# Allegro board F103_CH4_V10A.brd
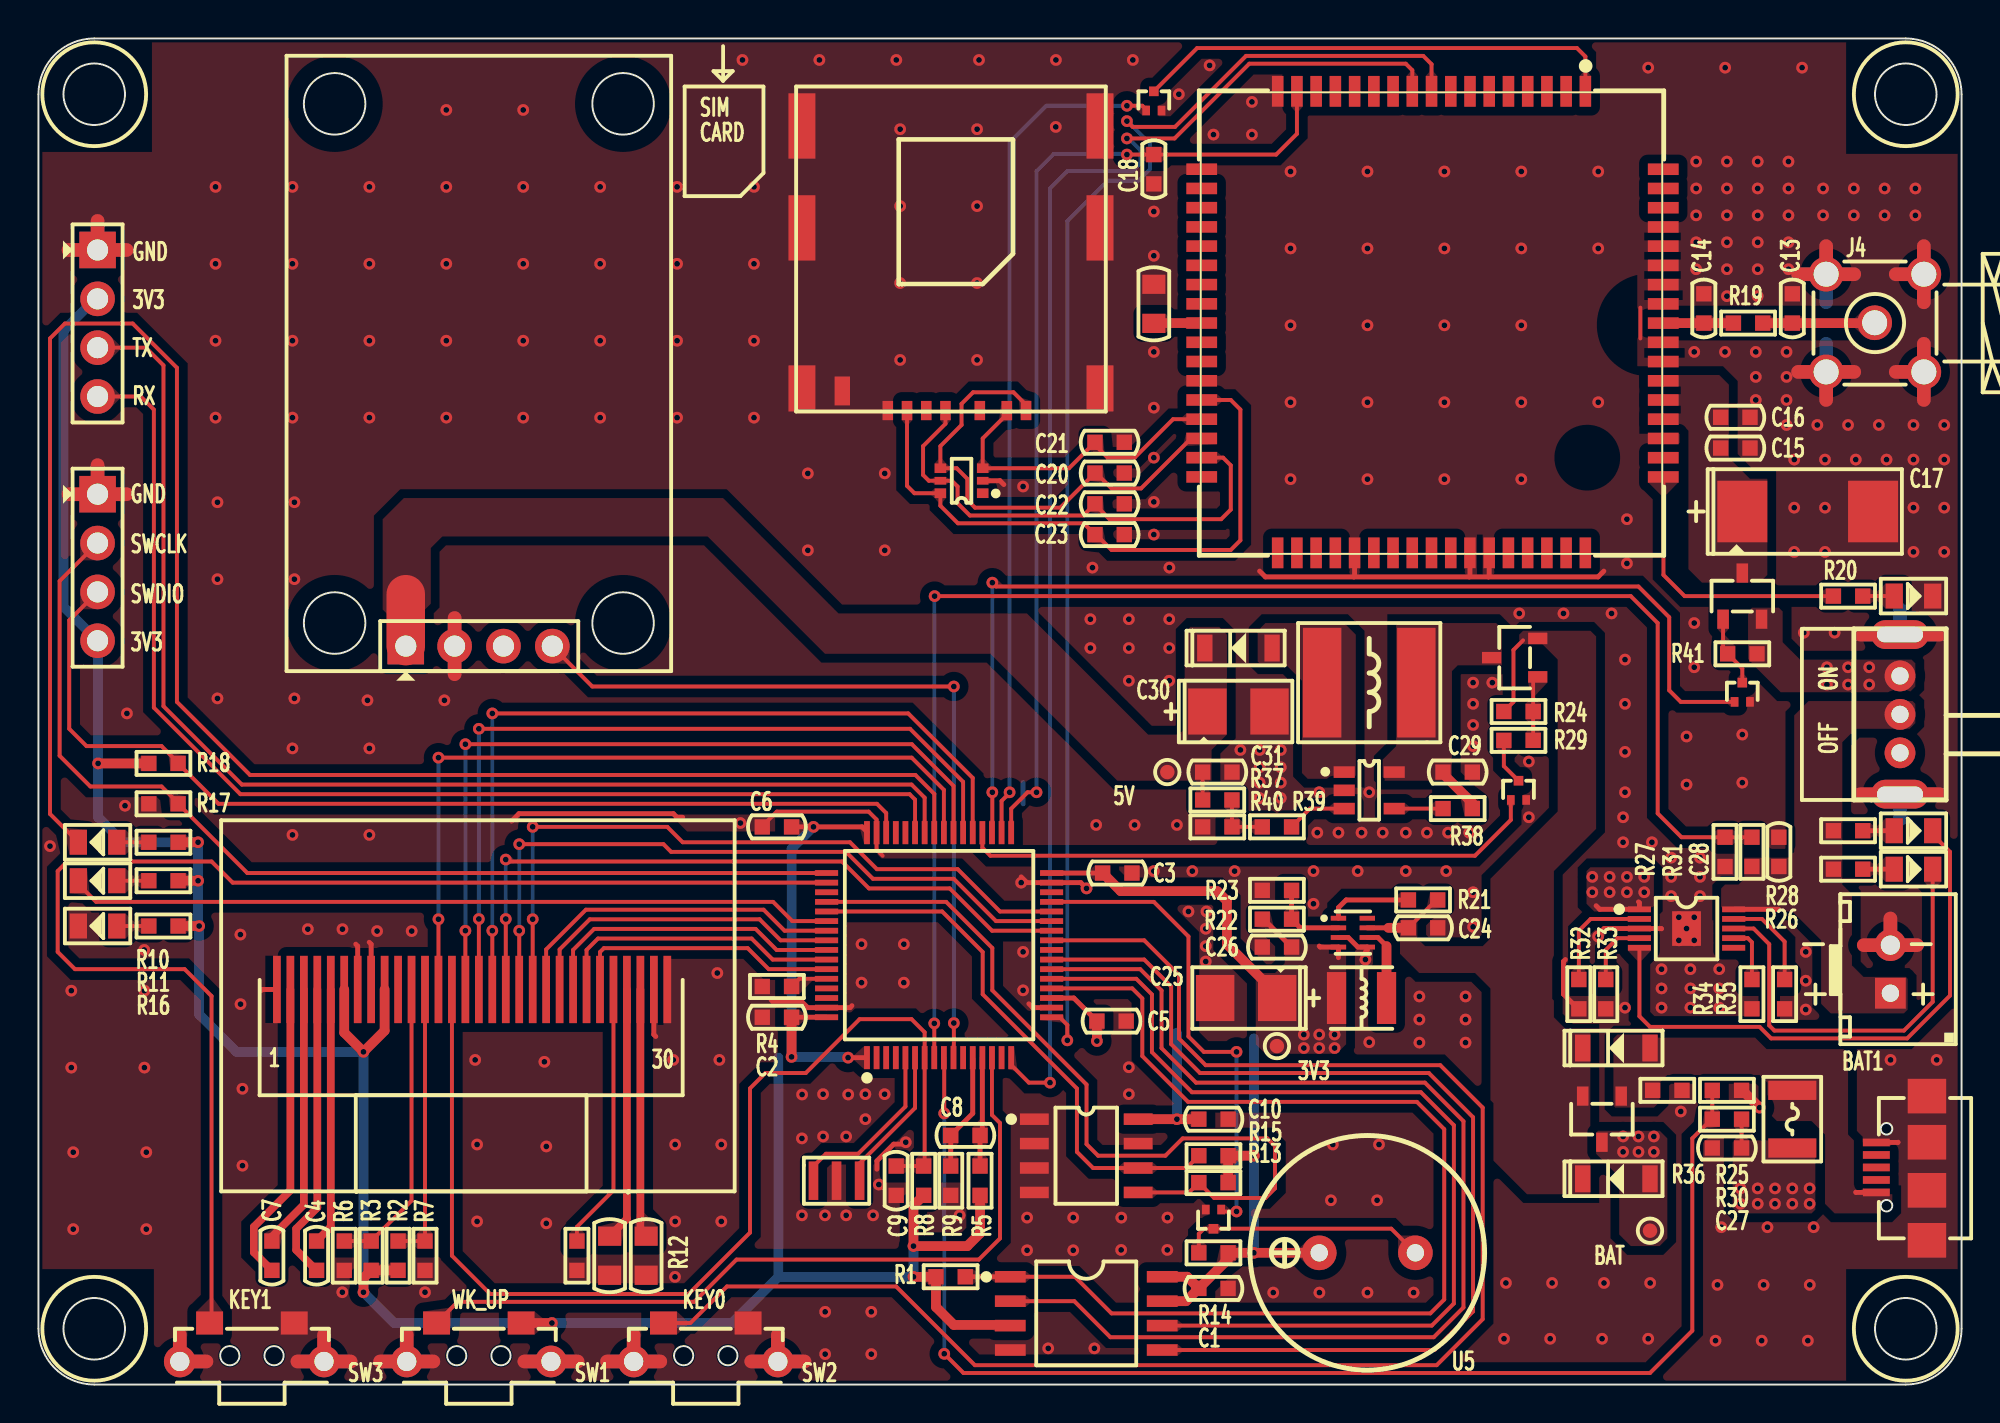
[diagram p0: board, top side]
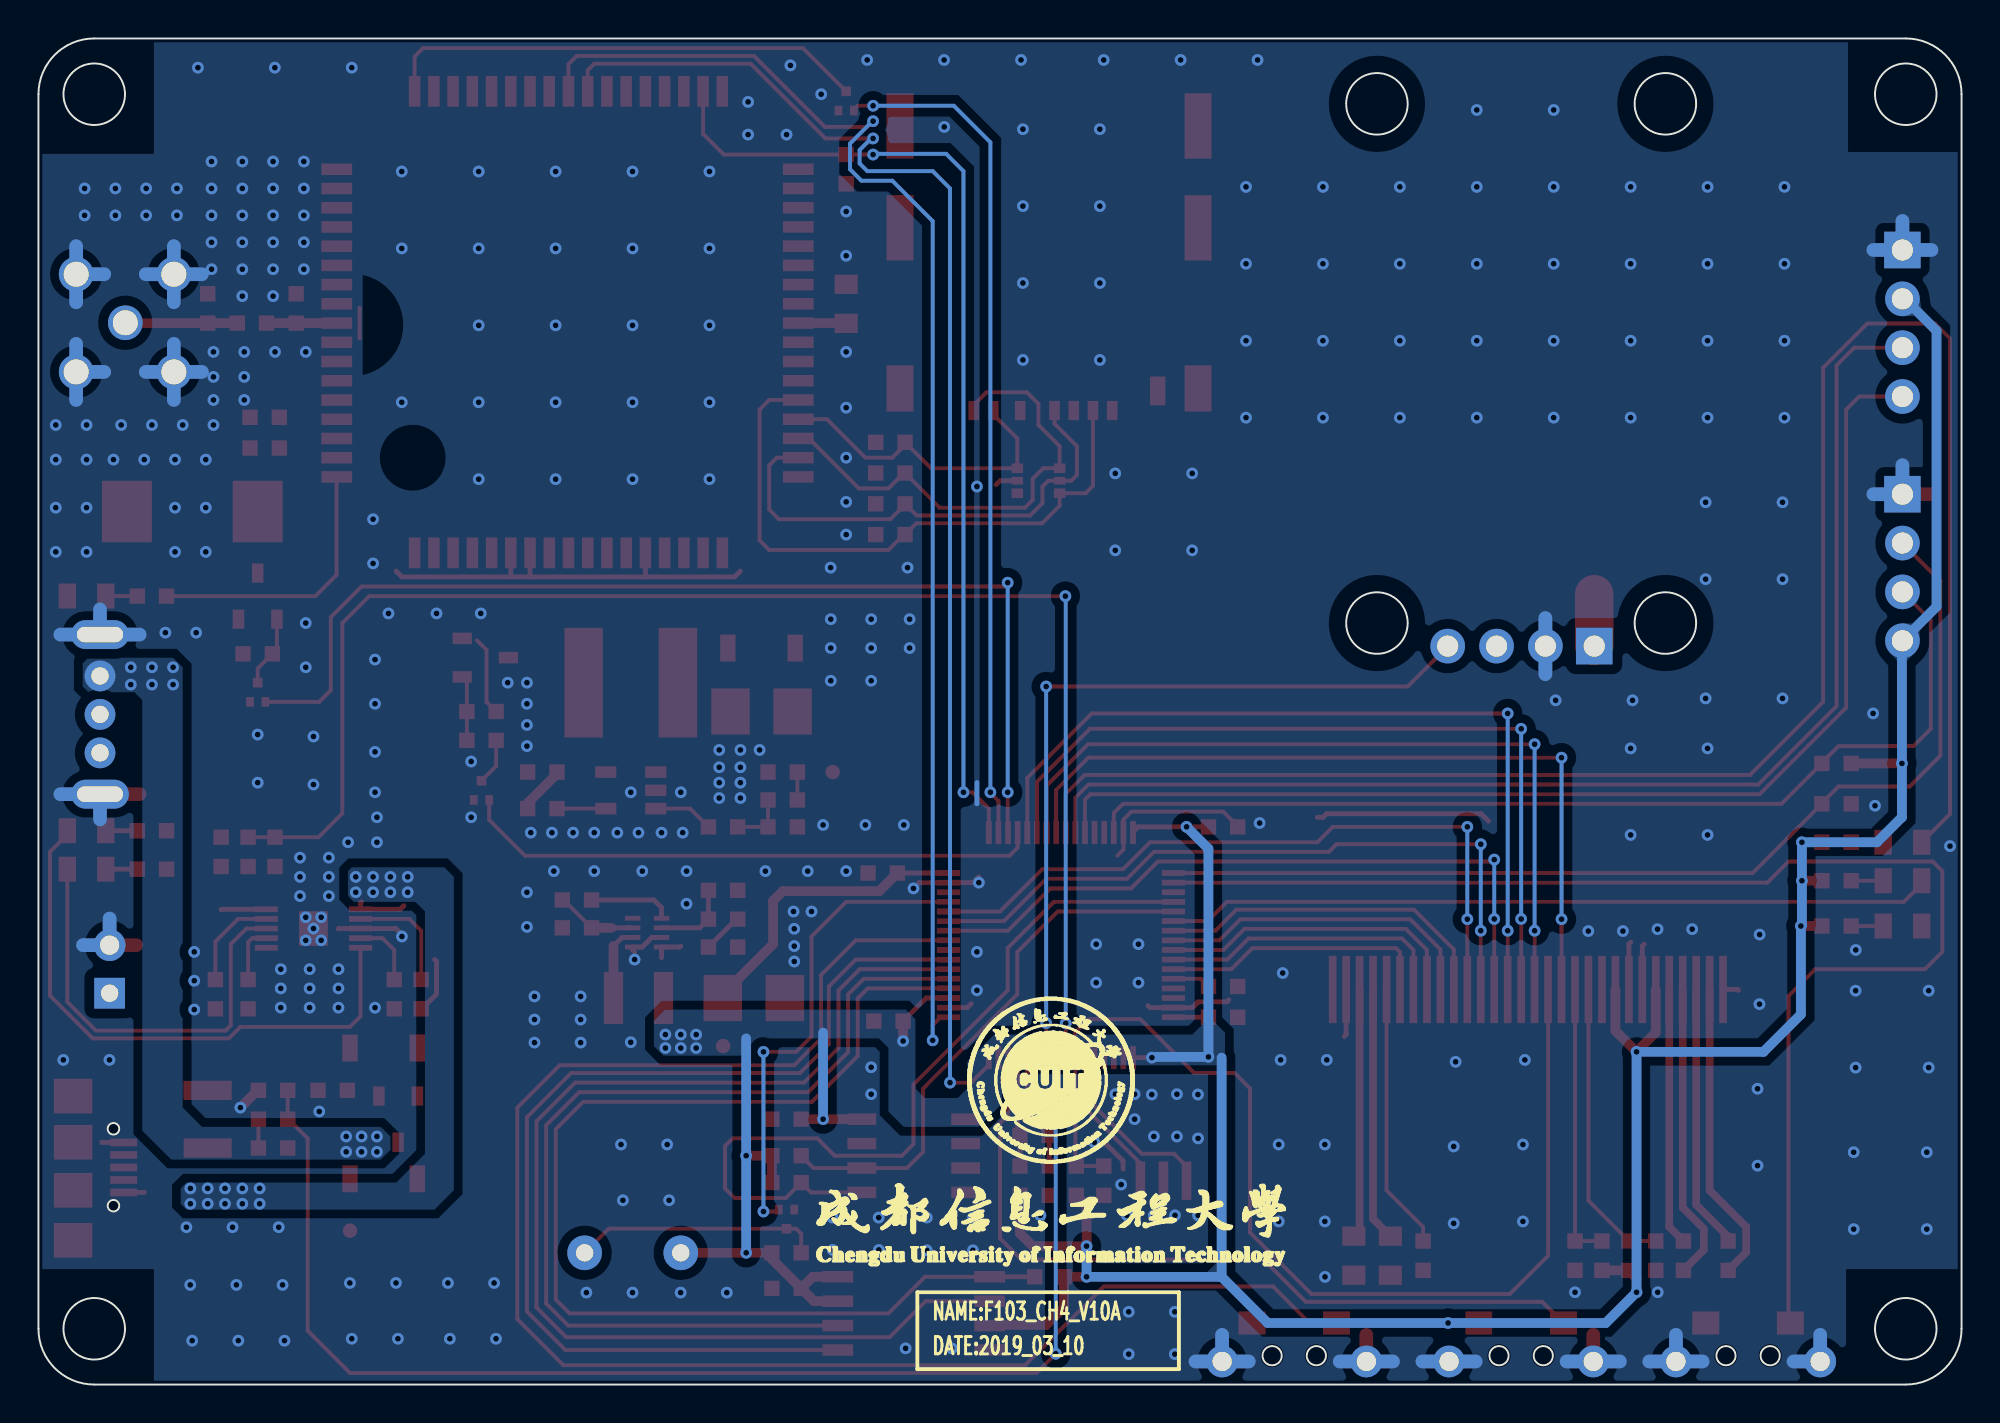
[diagram p1: board, bottom side, seen from below]

Outline 100 x 70 mm; copper layers: TOP, BOTTOM. Coordinates in mm from the lower left corner of the outline.
Outline path: circle c2.9,67.1 r1.6 ; circle c2.9,2.9 r1.6 ; circle c97.1,67.1 r1.6 ; circle c97.1,2.9 r1.6 ; 0,67.1 0,2.9 arc(0.85,0.85) 2.9,0 97.1,0 arc(99.15,0.85) 100,2.9 100,67.1 arc(99.15,69.15) 97.1,70 2.9,70 arc(0.85,69.15) 0,67.1

## Design rules (mm)
constraint set DEFAULT: min track width 0.203, pair gap 0.203

## Placement (name value [footprint] x y rotation side)
BAT1  BATTERY  [XHB-2A]  96.3 21.6 90 top
C1  0.1uF_50V  [C0603]  61.1 5 0 top
C2  0.1uF_50V  [C0603]  38.4 19.1 0 top
C3  0.1uF_50V  [C0603]  56.1 26.6 180 top
C4  1uF_25V  [C0603]  14.46 6.7 90 top
C5  0.1uF_50V  [C0603]  55.8 18.9 180 top
C6  0.1uF_50V  [C0603]  38.4 29 0 top
C7  1uF_25V  [C0603]  12.14 6.7 270 top
C8  0.1uF_50V  [C0603]  48.2 12.96 0 top
C9  0.1uF_50V  [C0603]  44.6 10.6 270 top
C10  0.1uF_50V  [C0603]  61.1 13.8 180 top
C11  10uF_25V  [C0805]  29.7 6.7 270 top
C12  10uF_25V  [C0805]  31.6 6.7 270 top
C13  22pF_50V/NI  [C0603]  91.2 55.96 270 top
C14  22pF_50V/NI  [C0603]  86.6 55.96 270 top
C15  30pF_50V  [C0603]  88.24 48.7 180 top
C16  0.1uF_50V  [C0603]  88.24 50.3 180 top
C17  220uF_10V  [C7343E]  92 45.4 180 top
C18  0.1uF_50V  [C0603]  58 63.2 90 top
C19  10uF_25V  [C0805]  58 56.2 90 top
C20  30pF_50V  [C0603]  55.7 47.4 0 top
C21  30pF_50V  [C0603]  55.7 49 0 top
C22  30pF_50V  [C0603]  55.7 45.8 0 top
C23  0.1uF_50V  [C0603]  55.7 44.2 180 top
C24  10uF_10V  [C0603]  72 23.75 0 top
C25  47uF_10V  [C3528B]  62.8 20.1 0 top
C26  0.1uF_50V  [C0603]  64.4 22.75 180 top
C27  10uF_10V  [C0603]  87.8 12.3 180 top
C28  10uF_10V  [C0603]  90.5 27.7 90 top
C29  10uF_10V  [C0603]  73.8 31.85 0 top
C30  47uF_10V  [C3528B]  62.4 35 180 top
C31  0.1uF_50V  [C0603]  61.3 31.85 0 top
CON1  5039600696  [SIM_PUSH]  39.4 50.6 0 top
D1  LED_GREEN  [LED0805]  3.07 28.2 180 top
D2  LED_GREEN  [LED0805]  3.07 26.2 180 top
D3  LED_GREEN  [LED0805]  3.07 23.84 180 top
D4  LED_GREEN  [LED0805]  97.5 41 0 top
D5  LED_RED  [LED0805]  97.5 26.8 0 top
D6  LED_GREEN  [LED0805]  97.5 28.8 0 top
D7  LMBR130FT1G  [SOD123]  82.05 10.7 0 top
D8  LMBR130FT1G  [SOD123]  82.05 17.5 0 top
D9  LMBR130FT1G  [SOD123]  62.4 38.3 0 top
F1  SMD1210-200  [FUSE1210]  91.2 13.8 270 top
J2  -  [HEADER4X1-2R54-M]  3.07 46.3 270 top
J3  -  [HEADER4X1-2R54-M]  3.07 59 270 top
J4  SMA-50R  [SMA-50R-DIP]  95.5 55.2 0 top
L1  SWPA3015S2R2NT  [L3015]  68.8 20.1 180 top
L2  SWPA6028S100MT  [L6028]  69.2 36.5 180 top
NOREF  -  []  98.12 68.33 0 top
NOREF#2  -  []  0 0 90 top
NOREF#3  -  []  0 0 90 top
NOREF#4  -  []  0 0 0 top
NOREF#5  -  []  -0.21 0 0 top
NOREF#6  -  []  0 0 0 top
NOREF#7  -  []  0 0 90 top
NOREF#8  -  []  0 0 0 top
Q1  DTC043ZMT2L  [SOT723]  61.1 8.6 180 top
Q2  DTC043ZMT2L  [SOT723]  58 66.75 0 top
Q3  AO3401A  [SOT23-3]  76.76 37.8 90 top
Q4  DTC043ZMT2L  [SOT723]  76.96 30.9 0 top
Q5  AO3401A  [SOT23-3]  81.3 13.8 180 top
Q6  AO3401A  [SOT23-3]  88.6 41 0 top
Q7  DTC043ZMT2L  [SOT723]  88.6 36 0 top
R1  10K  [R0603]  47.43 5.61 0 top
R2  10K  [R0603]  18.7 6.7 270 top
R3  10K  [R0603]  17.3 6.7 270 top
R4  10K  [R0603]  38.4 20.7 180 top
R5  0R  [R0603]  48.96 10.6 270 top
R6  10K/NI  [R0603]  15.9 6.7 90 top
R7  10K/NI  [R0603]  20.1 6.7 90 top
R8  10K  [R0603]  46.03 10.6 90 top
R9  0R  [R0603]  47.44 10.6 270 top
R10  4.7K  [R0603]  6.5 28.2 180 top
R11  4.7K  [R0603]  6.5 26.2 180 top
R12  760K  [R0603]  28 6.7 90 top
R13  4.7K  [R0603]  61.1 10.5 0 top
R14  1K  [R0603]  61.1 6.85 180 top
R15  4.7K  [R0603]  61.1 11.9 0 top
R16  4.7K  [R0603]  6.5 23.84 180 top
R17  4.7K  [R0603]  6.5 30.2 0 top
R18  4.7K  [R0603]  6.5 32.3 0 top
R19  0R  [R0603]  88.9 55.2 180 top
R20  10K  [R0603]  94.1 41 0 top
R21  10K  [R0603]  72 25.2 180 top
R22  200K  [R0603]  64.4 24.2 0 top
R23  44.2K  [R0603]  64.4 25.7 180 top
R24  47K  [R0603]  76.96 35 0 top
R25  200K  [R0603]  87.8 15.3 180 top
R26  10K  [R0603]  94.1 26.8 180 top
R27  200K  [R0603]  87.7 27.7 90 top
R28  10K  [R0603]  94.1 28.8 180 top
R29  47K  [R0603]  76.96 33.5 180 top
R30  200K  [R0603]  87.8 13.8 0 top
R31  200K  [R0603]  89.1 27.7 270 top
R32  1.8K  [R0603]  80.1 20.3 270 top
R33  2K  [R0603]  81.5 20.3 270 top
R34  10K  [R0603]  89.1 20.3 270 top
R35  10K  [R0603]  90.8 20.3 270 top
R36  100K  [R0603]  84.7 15.3 0 top
R37  35.4K  [R0603]  61.3 30.4 0 top
R38  10K  [R0603]  73.8 29.95 180 top
R39  100K  [R0603]  64.4 29 180 top
R40  11.8K  [R0603]  61.3 29 180 top
R41  47K  [R0603]  88.6 38 180 top
SW1  K2-1112SW-A4SW-04/NI  [K2-1112SW-A4SW-04]  22.9 1.5 180 top
SW2  K2-1112SW-A4SW-04/NI  [K2-1112SW-A4SW-04]  34.7 1.5 180 top
SW3  K2-1112SW-A4SW-04/NI  [K2-1112SW-A4SW-04]  11.1 1.5 180 top
SW4  -  [SWITCH_3P]  96.8 30.7 90 top
TP1  TestPoint  [TP-0R75]  64.4 17.6 0 top
TP2  TestPoint  [TP-0R75]  83.8 8 0 top
TP3  TestPoint  [TP-0R75]  58.7 31.85 0 top
U1  STM32F103RCT6  [LQFP64-10X10X0R5]  46.83 22.85 0 top
U2  -  [OLED_0R96]  22.9 19.74 0 top
U3  W25Q64JVSSIQ  [SOIC8_208]  54.48 3.7 270 top
U4  AT24C512C-SSHM-T  [SOIC8]  54.48 11.9 270 top
U5  -  [PS1240P02BT]  69.1 6.85 0 top
U6  -  [SIM800A]  72.44 55.2 270 top
U7  SMF05C  [SOT363]  48 47 90 top
U8  MP2162GQH-Z  [QFN8-2X1R5X0R5]  68.35 23.5 0 top
U9  BQ24090DGQR  [MSOP10-1R80X1R50]  85.7 23.71 270 top
U10  MP1540DJ-LF-Z  [SOT23-5]  69.2 30.9 270 top
U11  -  [MQ-4-MODULE]  19.1 38.4 0 top
USB1  -  [USB-MICRO]  95.5 11.3 90 top
X1  CSTCE8M00G15C99-R0  [X-3P-3R2X1R3-SMD]  41.5 10.6 0 top

## Library data of the parts
BAT1 = BATTERY
C1-C8 C11-C16 C18 C20-C24 C27-C29 = CAP NP_2
C9 C26 C31 = CAP NP
C10 = CAP NP_3
C17 C25 C30 = TMP_154254
C19 = CAP NP_0
CON1 = SIM_Card_2
D1-D6 = LED_4
D7-D9 = DIODE13_0
F1 = FUSE
J2 J3 = CONN RCPT 4
J4 = SMA-50R_0
L1 L2 = IND_BEAD_0805_600OHM_1
Q1 Q2 Q4 Q7 = DTC043ZMT2L
Q3 Q6 = MOS-P_0
Q5 = MOS-P
R1-R41 = R_Generic
SW1-SW3 = SWITCH-SPST-4P
SW4 = SWITCH_3P
TP1-TP3 = TestPoint_0
U1 = STM32F103RxT6
U2 = OLED_0
U3 = W25Qxx
U4 = AT24C512
U5 = PS1240P02BT
U6 = SIM800A
U7 = SMF05CT1G
U8 = MP2162GQH-Z
U9 = BQ24090
U10 = MP1540DJ-LF-Z
U11 = MQ-4-MODULE
USB1 = USB-MICRO
X1 = XTAL_5032_0

## Footprints (pads in the part's own frame, mm; a bottom-side part is the same pattern mirrored in y, then rotated)
C0603
  rect 0.8x0.8 smd: 1(-0.762,0) 2(0.762,0)
C0805
  rect 1x1.2 smd: 1(-1.016,0) 2(1.016,0)
C3528B
  rect 2x2.4 smd: 1(1.615,0) 2(-1.614,0)
C7343E
  rect 2.6x3.2 smd: 1(3.4,0) 2(-3.4,0)
FUSE1210
  rect 1x2.5 smd: 1(-1.5,0) 2(1.5,0)
HEADER4X1-2R54-M
  rect 1.9x1.9 hole 1.1: 1(0,0)
  round 1.8 hole 1.1: 2(2.54,0) 3(5.08,0) 4(7.62,0)
K2-1112SW-A4SW-04
  round 1.65 hole 1: 1(-3.75,0.3) 4(3.75,0.3)
  rect 1.4x1.2 smd: 2(-2.2,-1.7) 3(2.2,-1.7)
L3015
  rect 1x2.7 smd: 1(-1.3,0) 2(1.3,0)
L6028
  rect 2x5.7 smd: 1(-2.45,0) 2(2.45,0)
LED0805
  rect 0.9x1.3 smd: 1(-1,0) 2(1,0)
LQFP64-10X10X0R5
  rect 0.3x1.2 smd: 1(-3.75,-5.85) 2(-3.25,-5.85) 3(-2.75,-5.85) 4(-2.25,-5.85) 5(-1.75,-5.85) 6(-1.25,-5.85) 7(-0.75,-5.85) 8(-0.25,-5.85) 9(0.25,-5.85) 10(0.75,-5.85) 11(1.25,-5.85) 12(1.75,-5.85) 13(2.25,-5.85) 14(2.75,-5.85) 15(3.25,-5.85) 16(3.75,-5.85) 33(3.75,5.85) 34(3.25,5.85) 35(2.75,5.85) 36(2.25,5.85) 37(1.75,5.85) 38(1.25,5.85) 39(0.75,5.85) 40(0.25,5.85) 41(-0.25,5.85) 42(-0.75,5.85) 43(-1.25,5.85) 44(-1.75,5.85) 45(-2.25,5.85) 46(-2.75,5.85) 47(-3.25,5.85) 48(-3.75,5.85)
  rect 1.2x0.3 smd: 17(5.85,-3.75) 18(5.85,-3.25) 19(5.85,-2.75) 20(5.85,-2.25) 21(5.85,-1.75) 22(5.85,-1.25) 23(5.85,-0.75) 24(5.85,-0.25) 25(5.85,0.25) 26(5.85,0.75) 27(5.85,1.25) 28(5.85,1.75) 29(5.85,2.25) 30(5.85,2.75) 31(5.85,3.25) 32(5.85,3.75) 49(-5.85,3.75) 50(-5.85,3.25) 51(-5.85,2.75) 52(-5.85,2.25) 53(-5.85,1.75) 54(-5.85,1.25) 55(-5.85,0.75) 56(-5.85,0.25) 57(-5.85,-0.25) 58(-5.85,-0.75) 59(-5.85,-1.25) 60(-5.85,-1.75) 61(-5.85,-2.25) 62(-5.85,-2.75) 63(-5.85,-3.25) 64(-5.85,-3.75)
MQ-4-MODULE
  rect 1.9x1.9 hole 1.1: 1(0,0)
  round 1.8 hole 1.1: 2(2.54,0) 3(5.08,0) 4(7.62,0)
MSOP10-1R80X1R50
  rect 0.3x1.2 smd: 1(-1,-2.45) 2(-0.5,-2.45) 3(0,-2.45) 4(0.5,-2.45) 5(1,-2.45) 6(1,2.45) 7(0.5,2.45) 8(0,2.45) 9(-0.5,2.45) 10(-1,2.45)
  rect 1.8x1.5 smd: 11(0,0)
OLED_0R96
  rect 0.4x3.5 smd: 1(-10.5,0.8) 2(-9.8,0.8) 3(-9.1,0.8) 4(-8.4,0.8) 5(-7.7,0.8) 6(-7,0.8) 7(-6.3,0.8) 8(-5.6,0.8) 9(-4.9,0.8) 10(-4.2,0.8) 11(-3.5,0.8) 12(-2.8,0.8) 13(-2.1,0.8) 14(-1.4,0.8) 15(-0.7,0.8) 16(0,0.8) 17(0.7,0.8) 18(1.4,0.8) 19(2.1,0.8) 20(2.8,0.8) 21(3.5,0.8) 22(4.2,0.8) 23(4.9,0.8) 24(5.6,0.8) 25(6.3,0.8) 26(7,0.8) 27(7.7,0.8) 28(8.4,0.8) 29(9.1,0.8) 30(9.8,0.8)
PS1240P02BT
  round 1.8 hole 0.9: 1(-2.5,0) 2(2.5,0)
QFN8-2X1R5X0R5
  rect 0.8x0.25 smd: 1(-0.75,0.75) 2(-0.75,0.25) 3(-0.75,-0.25) 4(-0.75,-0.75) 5(0.75,-0.75) 6(0.75,-0.25) 7(0.75,0.25) 8(0.75,0.75)
R0603
  rect 0.8x0.8 smd: 1(-0.762,0) 2(0.762,0)
SIM800A
  rect 1.6x0.6 smd: 1(-12.051,8.002) 2(-12.051,7.002) 3(-12.051,6.002) 4(-12.051,5.002) 5(-12.051,4.002) 6(-12.051,3.002) 7(-12.051,2.002) 8(-12.051,1.002) 9(-12.051,0.002) 10(-12.051,-0.998) 11(-12.051,-1.998) 12(-12.051,-2.998) 13(-12.051,-3.998) 14(-12.051,-4.998) 15(-12.051,-5.998) 16(-12.051,-6.998) 17(-12.051,-7.998) 35(11.949,-8) 36(11.949,-7) 37(11.949,-6) 38(11.949,-5) 39(11.949,-4) 40(11.949,-3) 41(11.949,-2) 42(11.949,-1) 43(11.949,0) 44(11.949,1) 45(11.949,2) 46(11.949,3) 47(11.949,4) 48(11.949,5) 49(11.949,6) 50(11.949,7) 51(11.949,8)
  rect 0.6x1.6 smd: 18(-8,-11.949) 19(-7,-11.949) 20(-6,-11.949) 21(-5,-11.949) 22(-4,-11.949) 23(-3,-11.949) 24(-2,-11.949) 25(-1,-11.949) 26(0,-11.949) 27(1,-11.949) 28(2,-11.949) 29(3,-11.949) 30(4,-11.949) 31(5,-11.949) 32(6,-11.949) 33(7,-11.949) 34(8,-11.949) 52(8.002,12.051) 53(7.002,12.051) 54(6.002,12.051) 55(5.002,12.051) 56(4.002,12.051) 57(3.002,12.051) 58(2.002,12.051) 59(1.002,12.051) 60(0.002,12.051) 61(-0.998,12.051) 62(-1.998,12.051) 63(-2.998,12.051) 64(-3.998,12.051) 65(-4.998,12.051) 66(-5.998,12.051) 67(-6.998,12.051) 68(-7.998,12.051)
SIM_PUSH
  rect 0.55x1 smd: 1(5.765,0.05) 2(7.765,0.05) 3(11.955,0.05) 4(9.55,0.05) 5(4.765,0.05) 6(6.765,0.05) 7(10.955,0.05)
  rect 1.4x2.4 smd: 8(0.3,1.2) 13(15.8,1.2)
  rect 1.4x3.4 smd: 9(0.3,9.55) 10(0.3,14.85) 11(15.8,14.85) 12(15.8,9.55)
  rect 0.8x1.5 smd: 14(2.4,1.07)
SMA-50R-DIP
  round 1.8 hole 1.3: 1(-0.016,0.016) 2(-2.54,2.54) 3(-2.54,-2.54) 4(2.54,-2.54) 5(2.54,2.54)
SOD123
  rect 0.8x1.4 smd: 1(1.75,0) 2(-1.75,0)
SOIC8
  rect 0.6x1.5 smd: 1(-1.9,-2.7) 2(-0.63,-2.7) 3(0.64,-2.7) 4(1.91,-2.7) 5(1.91,2.7) 6(0.64,2.7) 7(-0.63,2.7) 8(-1.9,2.7)
SOIC8_208
  rect 0.6x1.6 smd: 1(-1.905,-3.95) 2(-0.635,-3.95) 3(0.635,-3.95) 4(1.905,-3.95) 5(1.905,3.95) 6(0.635,3.95) 7(-0.635,3.95) 8(-1.905,3.95)
SOT23-3
  rect 0.6x1 smd: 1(-1,-1.2) 2(1,-1.2) 3(0,1.2)
SOT23-5
  rect 0.6x1.1 smd: 1(-0.95,-1.3) 2(0,-1.3) 3(0.95,-1.3) 4(0.95,1.3) 5(-0.95,1.3)
SOT363
  rect 0.5x0.6 smd: 1(-0.65,-1.1) 3(0.65,-1.1) 4(0.65,1.1) 6(-0.65,1.1)
  rect 0.4x0.6 smd: 2(0,-1.1) 5(0,1.1)
SOT723
  rect 0.4x0.5 smd: 1(-0.4,-0.5) 2(0.4,-0.5)
  rect 0.5x0.5 smd: 3(0,0.5)
SWITCH_3P
  oval 1.5x3 hole 0.8x2.4: 1(0,0) 5(8.3,0)
  round 1.6 hole 0.9: 2(2.15,0) 3(4.15,0) 4(6.15,0)
TP-0R75
  round 0.75 smd: 1(0,0)
USB-MICRO
  rect 0.4x1.4 smd: 1(-1.31,-0.07) 2(-0.66,-0.07) 3(-0.01,-0.07) 4(0.64,-0.07) 5(1.29,-0.07)
  rect 1.8x2 smd: 6(-3.8,-2.7) 7(-1.2,-2.7) 8(1.3,-2.7) 9(3.7,-2.7)
X-3P-3R2X1R3-SMD
  rect 0.5x2 smd: 1(-1.2,0) 2(0,0) 3(1.2,0)
XHB-2A
  rect 1.6x1.6 hole 0.9: 1(-1.25,0)
  round 1.65 hole 1: 2(1.25,0)

## Nets
GND: BAT1.2 C1.2 C2.1 C3.1 C5.1 C6.1 C9.2 C10.1 C11.2 C12.2 C13.1 C14.1 C15.1 C16.1 C17.2 C18.1 C19.2 C20.2 C21.2 C22.2 C23.1 C24.2 C25.2 C26.2 C27.2 C28.2 C29.2 C30.2 C31.2 CON1.5 CON1.8 CON1.9 CON1.10 CON1.11 CON1.12 CON1.13 CON1.14 D3.2(CATHODE) D4.2(CATHODE) J2.1 J3.1 J4.2 J4.3 J4.4 J4.5 Q1.2 Q2.2 Q4.2 Q7.2 R4.2 R6.1 R7.1 R9.2 R12.1 R17.1 R23.2 R25.1 R27.1 R32.2 R33.2 R34.2 R35.2 R36.2 R40.2 SW1.1 SW1.4 SW2.1 SW2.2 SW2.4 SW3.1 SW3.2 SW3.4 SW4.1 SW4.5 U1.18 U1.31 U1.47 U1.63(VSS_4) U2.1 U2.7 U2.8(VSS) U2.29 U2.30 U3.4 U4.1 U4.2 U4.3 U4.4 U4.7(WP) U6.17 U6.18 U6.29 U6.39 U6.45 U6.46 U6.54 U6.58 U6.59 U6.61 U6.62 U6.63 U6.64 U6.65 U7.2(GND) U8.3 U8.5 U9.3(VSS) U9.11 U10.2 U11.2 USB1.5 USB1.6 USB1.7 USB1.8 USB1.9 X1.2
VCC_3.3V: C1.1 C2.2 C3.2 C5.2 C6.2 C10.2 C25.1 C26.1 J2.4 J3.2 L1.2(B) R1.1 R2.2 R3.2 R5.2 R8.1 R10.1 R11.1 R13.2 R14.1 R15.2 R16.1 R18.1 R22.1 SW1.2 TP1.1 U1.1 U1.19 U1.32 U1.48 U1.64 U2.6 U2.9 U3.3(W\P\) U3.7 U3.8 U4.8 U5.1 U8.4
VCC_5V_SENSOR: C30.1 C31.1 D9.2 R37.1 TP3.1 U11.1(VCC)
VCC_BAT: D7.1 Q5.3 Q6.2(S) R41.1 SW4.4 TP2.1
VCC_DCDC: C24.1 D7.2 D8.2 Q3.2(S) Q5.2(S) R21.1 R24.1 U8.7(VIN)
VCC_GPRS: C15.2 C16.2 C17.1 Q6.3 U6.55 U6.56 U6.57
VCC_SENSOR: C29.1 L2.1 Q3.3 R38.1 U10.5
VCC_USB: D8.1 F1.1 Q5.1 R36.1 USB1.1(VBUS)
VDDA: C8.2 R5.1 U1.13
VSSA: C8.1 R9.1 U1.12
ADC_BAT: R27.2 R31.1 U1.8
ADC_USB: R25.2 R30.1 U1.9
BOOT0: R4.1 U1.60
BS1: R3.1 R6.2 U2.11
BS2: R2.1 R7.2 U2.12
CTL_BEEP: Q1.1 U1.29
CTL_GPRS: Q7.1 U1.35
CTL_SENSOR: Q4.1 U1.36
F_CS: R1.2 U1.20 U3.1
GPRS_PWRKEY: Q2.1 U1.34
GPRS_RESET: C18.2 U1.33 U6.16
IIC_SCL: R15.1 U1.53 U4.6
IIC_SDA: R13.1 U1.52 U4.5
KEY0: SW2.3 U1.25
KEY1: SW3.3 U1.50
LED0: D1.2(CATHODE) U1.41
LED1: D2.2(CATHODE) U1.54
MQ4_AO: U1.10 U11.4
NETLED: R20.1 U6.52
NRST: C9.1 R8.2 U1.7 U2.14
OLED_CS: U1.40 U2.13
OLED_D0: U1.26 U2.18
OLED_D1: U1.27 U2.19
OLED_D2: U1.28 U2.20
OLED_D3: U1.55 U2.21
OLED_D4: U1.56 U2.22
OLED_D5: U1.57 U2.23
OLED_D6: U1.58 U2.24
OLED_D7: U1.59 U2.25
OLED_DC: U1.39 U2.15
OLED_RD: U1.37 U2.17
OLED_RW: U1.38 U2.16
OSC_IN: U1.5 X1.1
OSC_OUT: U1.6 X1.3
SPI1_MISO: U1.22 U3.2
SPI1_MOSI: U1.23 U3.5
SPI1_SCK: U1.21 U3.6
SWCLK: J2.2 R17.2 U1.49
SWDIO: J2.3 R18.2 U1.46
UIM_CLK: C20.1 CON1.3 U6.32 U7.4
UIM_DATA: C21.1 CON1.7 U6.31 U7.3
UIM_RST: C22.1 CON1.2 U6.33 U7.5
UIM_VDD: C23.2 CON1.1 U6.30 U7.6
USART1_RX: J3.4 U1.43
USART1_TX: J3.3 U1.42
USART2_RX: U1.17 U6.9
USART2_TX: U1.16 U6.10
WK_UP: SW1.3 U1.14
N17022771: Q3.1 R24.2 R29.1
N17023235: Q4.3 R29.2
N17026623: D1.1 R10.2
N17026648: D2.1 R11.2
N17026724: D3.1 R16.2
N17028213: Q6.1 Q7.3 R41.2
N17050921: C13.2 J4.1 R19.1
N17050927: C14.2 R19.2 U6.60
N17051220: Q2.3 U6.1
N17051445: C19.1 U6.26(VRTC)
N17056380: C7.1 U2.3
N17056384: C7.2 U2.2
N17056392: C4.1 U2.4
N17056408: C4.2 U2.5
N17056584: R12.2 U2.26
N17056586: C11.1 U2.27
N17056590: C12.1 U2.28
N17058157: D5.2(CATHODE) U9.8
N17058162: D5.1 R26.1
N17058164: BAT1.1 C28.1 R26.2 R28.2 R31.2 SW4.3 U9.10
N17058219: D6.2(CATHODE) U9.5
N17058224: D6.1 R28.1
N17058271: C27.1 F1.2 R30.2 U9.1
N17058317: R32.1 U9.2
N17058321: R35.1 U9.9
N17058347: R33.1 U9.4
N17058351: R34.1 U9.7
N17058835: R21.2 U8.1
N17058845: R22.2 R23.1 U8.2
N17058865: L1.1 U8.6
N17060290: D9.1 L2.2(B) U10.1(SW)
N17060340: R39.1 U10.3
N17060374: R37.2 R39.2 R40.1
N17061059: R38.2 U10.4
N17064279: Q1.3 R14.2 U5.2
N170520860: D4.1 R20.2

Pads without a net: CON1 4 6; SW4 2; U1 2 3 4 11 15 24 30 44 45 51 61 62; U2 10; U6 2 3 4 5 6 7 8 11 12 13 14 15 19 20 21 22 23 24 25 27 28 34 35 36 37 38 40 41 42 43 44 47 48 49 50 51 53 66 67 68; U7 1; U8 8; U9 6; U11 3; USB1 2 3 4

## Via types
v1: diameter 0.61, hole 0.305, TOP to BOTTOM, 459 vias
